# KiCad board control-logic-midplane.kicad_pcb (continued)
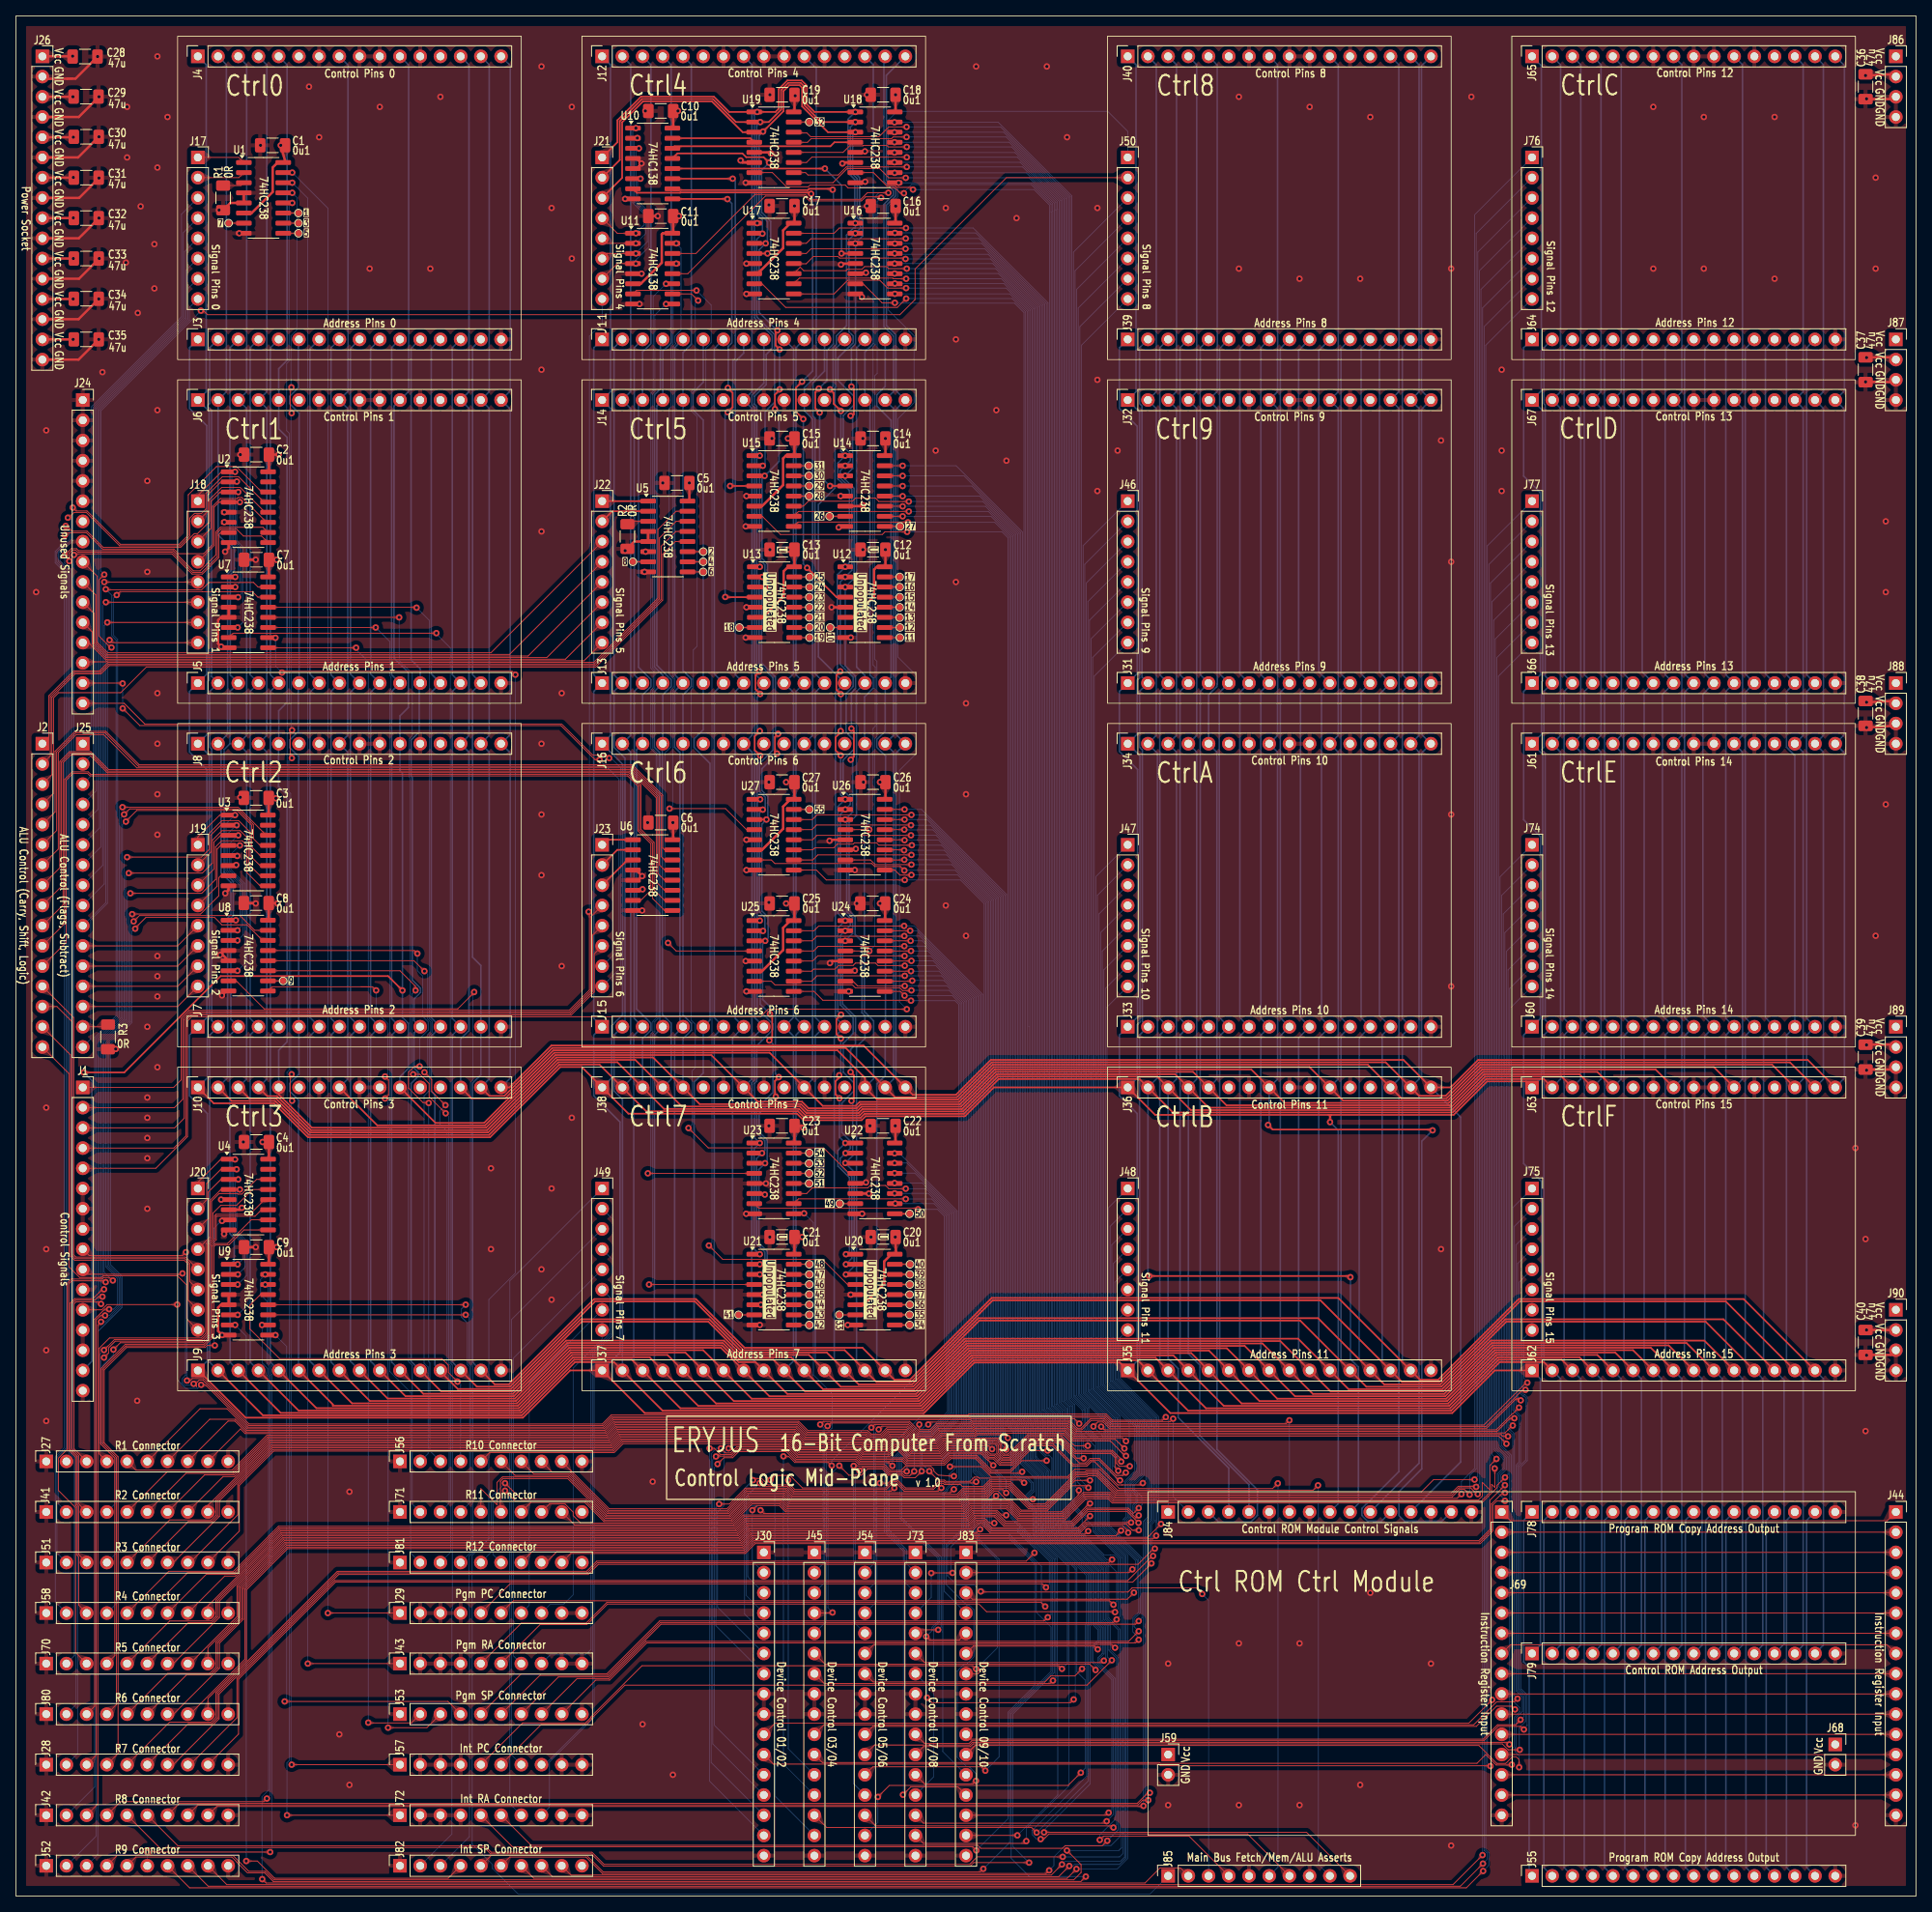
[diagram p0: board, top side]
## Nets
GNDREF: C1.2 C2.2 C3.2 C4.2 C5.2 C6.2 C7.2 C8.2 C9.2 C10.2 C11.2 C12.2 C13.2 C14.2 C15.2 C16.2 C17.2 C18.2 C19.2 C20.2 C21.2 C22.2 C23.2 C24.2 C25.2 C26.2 C27.2 C28.2 C29.2 C30.2 C31.2 C32.2 C33.2 C34.2 C35.2 C36.2 C37.2 C38.2 C39.2 C40.2 J1.6 J1.7 J1.8 J1.11 J1.13 J1.14 J1.16 J3.16 J4.7 J4.9 J4.10 J4.12 J5.16 J6.7 J6.9 J6.10 J6.12 J7.16 J8.7 J8.9 J8.10 J8.12 J9.16 J10.7 J10.9 J10.10 J10.12 J11.16 J12.7 J12.9 J12.10 J12.12 J13.16 J14.7 J14.9 J14.10 J14.12 J15.16 J16.7 J16.9 J16.10 J16.12 J24.1 J24.2 J24.3 J24.4 J24.5 J24.6 J24.7 J24.8 J26.2 J26.4 J26.6 J26.8 J26.10 J26.12 J26.14 J26.16 J27.1 J27.10 J28.1 J28.10 J29.2 J29.3 J29.4 J29.9 J29.10 J30.1 J30.8 J30.9 J30.16 J31.16 J32.7 J32.9 J32.10 J32.12 J33.16 J34.7 J34.9 J34.10 J34.12 J35.16 J36.7 J36.9 J36.10 J36.12 J37.16 J38.7 J38.9 J38.10 J38.12 J39.16 J40.7 J40.9 J40.10 J40.12 J41.1 J41.10 J42.1 J42.10 J43.2 J43.3 J43.4 J43.9 J43.10 J44.16 J45.1 J45.8 J45.9 J45.16 J51.1 J51.10 J52.1 J52.10 J53.1 J53.10 J54.1 J54.8 J54.9 J54.16 J55.16 J56.1 J56.10 J57.2 J57.3 J57.4 J57.9 J57.10 J58.1 J58.10 J59.2 J60.16 J61.7 J61.9 J61.10 J61.12 J62.16 J63.7 J63.9 J63.10 J63.12 J64.16 J65.7 J65.9 J65.10 J65.12 J66.16 J67.7 J67.9 J67.10 J67.12 J68.2 J69.16 J70.1 J70.10 J71.1 J71.10 J72.2 J72.3 J72.4 J72.9 J72.10 J73.1 J73.8 J73.9 J73.16 J78.16 J79.16 J80.1 J80.10 J81.1 J81.10 J82.1 J82.10 J83.1 J83.8 J83.9 J83.16 J84.6 J84.8 J84.14 J84.16 J85.5 J85.8 J86.3 J86.4 J87.3 J87.4 J88.3 J88.4 J89.3 J89.4 J90.3 J90.4 R1.2 R2.2 R3.2 U1.4 U1.5 U1.8 U2.5 U2.8 U3.5 U3.8 U4.5 U4.8 U5.4 U5.5 U5.8 U6.4 U6.5 U6.8 U7.4 U7.5 U7.8 U8.4 U8.5 U8.8 U9.4 U9.5 U9.8 U10.4 U10.5 U10.8 U11.5 U11.8 U12.5 U12.8 U13.5 U13.8 U14.5 U14.8 U15.5 U15.8 U16.5 U16.8 U17.5 U17.8 U18.5 U18.8 U19.5 U19.8 U20.5 U20.8 U21.5 U21.8 U22.5 U22.8 U23.5 U23.8 U24.5 U24.8 U25.5 U25.8 U26.5 U26.8 U27.5 U27.8
VCC: C1.1 C2.1 C3.1 C4.1 C5.1 C6.1 C7.1 C8.1 C9.1 C10.1 C11.1 C12.1 C13.1 C14.1 C15.1 C16.1 C17.1 C18.1 C19.1 C20.1 C21.1 C22.1 C23.1 C24.1 C25.1 C26.1 C27.1 C28.1 C29.1 C30.1 C31.1 C32.1 C33.1 C34.1 C35.1 C36.1 C37.1 C38.1 C39.1 C40.1 J4.6 J4.13 J6.6 J6.13 J8.6 J8.13 J10.6 J10.13 J12.6 J12.13 J14.6 J14.13 J16.6 J16.13 J26.1 J26.3 J26.5 J26.7 J26.9 J26.11 J26.13 J26.15 J32.6 J32.13 J34.6 J34.13 J36.6 J36.13 J38.6 J38.13 J40.6 J40.13 J59.1 J61.6 J61.13 J63.6 J63.13 J65.6 J65.13 J67.6 J67.13 J68.1 J86.1 J86.2 J87.1 J87.2 J88.1 J88.2 J89.1 J89.2 J90.1 J90.2 U1.6 U1.16 U2.6 U2.16 U3.6 U3.16 U4.6 U4.16 U5.6 U5.16 U6.6 U6.16 U7.16 U8.16 U9.16 U10.16 U11.6 U11.16 U12.6 U12.16 U13.6 U13.16 U14.6 U14.16 U15.6 U15.16 U16.6 U16.16 U17.6 U17.16 U18.6 U18.16 U19.6 U19.16 U20.6 U20.16 U21.6 U21.16 U22.6 U22.16 U23.6 U23.16 U24.6 U24.16 U25.6 U25.16 U26.6 U26.16 U27.6 U27.16
Addr0: J3.1 J5.1 J7.1 J9.1 J11.1 J13.1 J15.1 J31.1 J33.1 J35.1 J37.1 J39.1 J60.1 J62.1 J64.1 J66.1 J79.1
Addr1: J3.2 J5.2 J7.2 J9.2 J11.2 J13.2 J15.2 J31.2 J33.2 J35.2 J37.2 J39.2 J60.2 J62.2 J64.2 J66.2 J79.2
Addr2: J3.3 J5.3 J7.3 J9.3 J11.3 J13.3 J15.3 J31.3 J33.3 J35.3 J37.3 J39.3 J60.3 J62.3 J64.3 J66.3 J79.3
Addr3: J3.4 J5.4 J7.4 J9.4 J11.4 J13.4 J15.4 J31.4 J33.4 J35.4 J37.4 J39.4 J60.4 J62.4 J64.4 J66.4 J79.4
Addr4: J3.5 J5.5 J7.5 J9.5 J11.5 J13.5 J15.5 J31.5 J33.5 J35.5 J37.5 J39.5 J60.5 J62.5 J64.5 J66.5 J79.5
Addr5: J3.6 J5.6 J7.6 J9.6 J11.6 J13.6 J15.6 J31.6 J33.6 J35.6 J37.6 J39.6 J60.6 J62.6 J64.6 J66.6 J79.6
Addr6: J3.7 J5.7 J7.7 J9.7 J11.7 J13.7 J15.7 J31.7 J33.7 J35.7 J37.7 J39.7 J60.7 J62.7 J64.7 J66.7 J79.7
Addr7: J3.8 J5.8 J7.8 J9.8 J11.8 J13.8 J15.8 J31.8 J33.8 J35.8 J37.8 J39.8 J60.8 J62.8 J64.8 J66.8 J79.8
Addr8: J3.9 J5.9 J7.9 J9.9 J11.9 J13.9 J15.9 J31.9 J33.9 J35.9 J37.9 J39.9 J60.9 J62.9 J64.9 J66.9 J79.9
Addr9: J3.10 J5.10 J7.10 J9.10 J11.10 J13.10 J15.10 J31.10 J33.10 J35.10 J37.10 J39.10 J60.10 J62.10 J64.10 J66.10 J79.10
AddrA: J3.11 J5.11 J7.11 J9.11 J11.11 J13.11 J15.11 J31.11 J33.11 J35.11 J37.11 J39.11 J60.11 J62.11 J64.11 J66.11 J79.11
AddrB: J3.12 J5.12 J7.12 J9.12 J11.12 J13.12 J15.12 J31.12 J33.12 J35.12 J37.12 J39.12 J60.12 J62.12 J64.12 J66.12 J79.12
AddrC: J3.13 J5.13 J7.13 J9.13 J11.13 J13.13 J15.13 J31.13 J33.13 J35.13 J37.13 J39.13 J60.13 J62.13 J64.13 J66.13 J79.13
AddrD: J3.14 J5.14 J7.14 J9.14 J11.14 J13.14 J15.14 J31.14 J33.14 J35.14 J37.14 J39.14 J60.14 J62.14 J64.14 J66.14 J79.14
AddrE: J3.15 J5.15 J7.15 J9.15 J11.15 J13.15 J15.15 J31.15 J33.15 J35.15 J37.15 J39.15 J60.15 J62.15 J64.15 J66.15 J79.15
CPU_CLK: J1.15 J4.11 J6.11 J8.11 J10.11 J12.11 J14.11 J16.11 J32.11 J34.11 J36.11 J38.11 J40.11 J61.11 J63.11 J65.11 J67.11
CPY_CLK: J4.8 J6.8 J8.8 J10.8 J12.8 J14.8 J16.8 J32.8 J34.8 J36.8 J38.8 J40.8 J61.8 J63.8 J65.8 J67.8 J84.15
EEPROM CMD/ADDR: J4.2 J6.2 J8.2 J10.2 J12.2 J14.2 J16.2 J32.2 J34.2 J36.2 J38.2 J40.2 J61.2 J63.2 J65.2 J67.2 J84.10
EEPROM ~{CS}: J4.1 J6.1 J8.1 J10.1 J12.1 J14.1 J16.1 J32.1 J34.1 J36.1 J38.1 J40.1 J61.1 J63.1 J65.1 J67.1 J84.9
HS_CLK: J1.12 J84.7
INSTR_A0: J44.1 J69.1
INSTR_A1: J44.2 J69.2
INSTR_A2: J44.3 J69.3
INSTR_A3: J44.4 J69.4
INSTR_A4: J44.5 J69.5
INSTR_A5: J44.6 J69.6
INSTR_A6: J44.7 J69.7
INSTR_A7: J44.8 J69.8
INSTR_A8: J44.9 J69.9
INSTR_A9: J44.10 J69.10
INSTR_AA: J44.11 J69.11
INSTR_AB: J44.12 J69.12
INSTR_AC: J44.13 J69.13
INSTR_AD: J44.14 J69.14
INSTR_AE: J44.15 J69.15
LATCH ~{OE}: J4.3 J6.3 J8.3 J10.3 J12.3 J14.3 J16.3 J32.3 J34.3 J36.3 J38.3 J40.3 J61.3 J63.3 J65.3 J67.3 J84.4
PGM_A0: J55.1 J78.1
PGM_A1: J55.2 J78.2
PGM_A2: J55.3 J78.3
PGM_A3: J55.4 J78.4
PGM_A4: J55.5 J78.5
PGM_A5: J55.6 J78.6
PGM_A6: J55.7 J78.7
PGM_A7: J55.8 J78.8
PGM_A8: J55.9 J78.9
PGM_A9: J55.10 J78.10
PGM_AA: J55.11 J78.11
PGM_AB: J55.12 J78.12
PGM_AC: J55.13 J78.13
PGM_AD: J55.14 J78.14
PGM_AE: J55.15 J78.15
SHIFTER ~{OE}: J4.4 J6.4 J8.4 J10.4 J12.4 J14.4 J16.4 J32.4 J34.4 J36.4 J38.4 J40.4 J61.4 J63.4 J65.4 J67.4 J84.5
SHIFTER ~{RESET}: J4.5 J6.5 J8.5 J10.5 J12.5 J14.5 J16.5 J32.5 J34.5 J36.5 J38.5 J40.5 J61.5 J63.5 J65.5 J67.5 J84.3
SignalAddrBus1AssertBit0: J17.1 U1.1
SignalAddrBus1AssertBit1: J17.2 U1.2
SignalAddrBus1AssertIntPC: J57.1 U1.13
SignalAddrBus1AssertIntRA: J72.1 U1.12
SignalAddrBus1AssertPgmPC: J29.1 U1.15
SignalAddrBus1AssertPgmRA: J43.1 U1.14
SignalAddrBus2AssertBit0: J18.1 U2.1 U7.1
SignalAddrBus2AssertBit1: J18.2 U2.2 U7.2
SignalAddrBus2AssertBit2: J18.3 U2.3 U7.3
SignalAddrBus2AssertBit3: J18.4 U2.4 U7.6
SignalAddrBus2AssertFetch: J85.1 U7.10
SignalAddrBus2AssertIntSP: J82.2 U7.7
SignalAddrBus2AssertPgmSP: J53.2 U7.9
SignalAddrBus2AssertR1: J27.2 U2.14
SignalAddrBus2AssertR2: J41.2 U2.13
SignalAddrBus2AssertR3: J51.2 U2.12
SignalAddrBus2AssertR4: J58.2 U2.11
SignalAddrBus2AssertR5: J70.2 U2.10
SignalAddrBus2AssertR6: J80.2 U2.9
SignalAddrBus2AssertR7: J28.2 U2.7
SignalAddrBus2AssertR8: J42.2 U7.15
SignalAddrBus2AssertR9: J52.2 U7.14
SignalAddrBus2AssertR10: J56.2 U7.13
SignalAddrBus2AssertR11: J71.2 U7.12
SignalAddrBus2AssertR12: J81.2 U7.11
SignalAluArighShiftLeft: J2.6 U6.14
SignalAluArighShiftRight: J2.7 U6.13
SignalALUBusAAssertBit0: J19.1 U3.1 U8.1
SignalALUBusAAssertBit1: J19.2 U3.2 U8.2
SignalALUBusAAssertBit2: J19.3 U3.3 U8.3
SignalALUBusAAssertBit3: J19.4 U3.4 U8.6
SignalALUBusAAssertIntSP: J82.3 U8.7
SignalALUBusAAssertPgmSP: J53.3 U8.9
SignalALUBusAAssertR1: J27.3 U3.14
SignalALUBusAAssertR2: J41.3 U3.13
SignalALUBusAAssertR3: J51.3 U3.12
SignalALUBusAAssertR4: J58.3 U3.11
SignalALUBusAAssertR5: J70.3 U3.10
SignalALUBusAAssertR6: J80.3 U3.9
SignalALUBusAAssertR7: J28.3 U3.7
SignalALUBusAAssertR8: J42.3 U8.15
SignalALUBusAAssertR9: J52.3 U8.14
SignalALUBusAAssertR10: J56.3 U8.13
SignalALUBusAAssertR11: J71.3 U8.12
SignalALUBusAAssertR12: J81.3 U8.11
SignalALUBusBAssertBit0: J20.1 U4.1 U9.1
SignalALUBusBAssertBit1: J20.2 U4.2 U9.2
SignalALUBusBAssertBit2: J20.3 U4.3 U9.3
SignalALUBusBAssertBit3: J20.4 U4.4 U9.6
SignalALUBusBAssertFetch: J85.2 U9.10
SignalALUBusBAssertIntSP: J82.4 U9.7
SignalALUBusBAssertPgmSP: J53.4 U9.9
SignalALUBusBAssertR1: J27.4 U4.14
SignalALUBusBAssertR2: J41.4 U4.13
SignalALUBusBAssertR3: J51.4 U4.12
SignalALUBusBAssertR4: J58.4 U4.11
SignalALUBusBAssertR5: J70.4 U4.10
SignalALUBusBAssertR6: J80.4 U4.9
SignalALUBusBAssertR7: J28.4 U4.7
SignalALUBusBAssertR8: J42.4 U9.15
SignalALUBusBAssertR9: J52.4 U9.14
SignalALUBusBAssertR10: J56.4 U9.13
SignalALUBusBAssertR11: J71.4 U9.12
SignalALUBusBAssertR12: J81.4 U9.11
SignalALULogicBit0: J23.1 U6.1
SignalALULogicBit1: J23.2 U6.2
SignalALULogicBit2: J23.3 U6.3
SignalALULogicResultBit0: J2.13 J20.5
SignalALULogicResultBit1: J2.14 J20.6
SignalALULogicResultBit2: J2.15 J20.7
SignalALULogicResultBit3: J2.16 J20.8
SignalAluLogicShiftLeft: J2.8 U6.12
SignalAluRotateCarryLeft: J2.9 U6.11
SignalAluRotateCarryRight: J2.10 U6.10
SignalAluRotateLeft: J2.11 U6.9
SignalAluRotateRight: J2.12 U6.7
SignalAluShiftNone: J2.5 U6.15
SignalAluSubtract: J25.16 J50.2
SignalBreak: J1.4 J23.6
SignalCarrySelect0: J2.1 U5.15
SignalCarrySelect1: J2.4 U5.12
SignalCarrySelectBit0: J22.1 U5.1
SignalCarrySelectBit1: J22.2 U5.2
SignalCarrySelectInverted: J2.3 U5.13
SignalCarrySelectLast: J2.2 U5.14
SignalFetchSuppress: J1.2 J23.4
SignalInstructionSuppress: J1.1 J21.8
SignalIntPCInc: J49.4 J57.8
SignalIntPCLoad: J49.3 J57.7
SignalIntRAInc: J49.2 J72.8
SignalIntRALoad: J49.1 J72.7
SignalIntSPDec: J50.3 J82.9
SignalIntSPInc: J50.4 J82.8
SignalIntSPLoad: J50.5 J82.7
SignalLeaveIntContext: J1.3 J23.5
SignalMainBusAssertALUResult: J85.9 U24.9
SignalMainBusAssertBit0: J21.1 U12.1 U13.1 U14.1 U15.1 U16.1 U17.1 U18.1 U19.1 U20.1 U21.1 U22.1 U23.1 U24.1 U25.1 U26.1 U27.1
SignalMainBusAssertBit1: J21.2 U12.2 U13.2 U14.2 U15.2 U16.2 U17.2 U18.2 U19.2 U20.2 U21.2 U22.2 U23.2 U24.2 U25.2 U26.2 U27.2
SignalMainBusAssertBit2: J21.3 U12.3 U13.3 U14.3 U15.3 U16.3 U17.3 U18.3 U19.3 U20.3 U21.3 U22.3 U23.3 U24.3 U25.3 U26.3 U27.3
SignalMainBusAssertBit3: J21.4 U10.1 U11.1
SignalMainBusAssertBit4: J21.5 U10.2 U11.2
SignalMainBusAssertBit5: J21.6 U10.3 U11.3
SignalMainBusAssertBit6: J21.7 U10.6 U11.4
SignalMainBusAssertCtl01: J30.5 U23.11
SignalMainBusAssertCtl02: J30.13 U23.10
SignalMainBusAssertCtl03: J45.5 U23.9
SignalMainBusAssertCtl04: J45.13 U23.7
SignalMainBusAssertCtl05: J54.5 U22.15
SignalMainBusAssertCtl06: J54.13 U22.14
SignalMainBusAssertCtl07: J73.5 U22.13
SignalMainBusAssertCtl08: J73.13 U22.12
SignalMainBusAssertCtl09: J83.5 U22.11
SignalMainBusAssertCtl10: J83.13 U22.10
SignalMainBusAssertDev01: J30.4 U25.11
SignalMainBusAssertDev02: J30.12 U25.10
SignalMainBusAssertDev03: J45.4 U25.9
SignalMainBusAssertDev04: J45.12 U25.7
SignalMainBusAssertDev05: J54.4 U24.15
SignalMainBusAssertDev06: J54.12 U24.14
SignalMainBusAssertDev07: J73.4 U24.13
SignalMainBusAssertDev08: J73.12 U24.12
SignalMainBusAssertDev09: J83.4 U24.11
SignalMainBusAssertDev10: J83.12 U24.10
SignalMainBusAssertFetch: J85.3 U25.12
SignalMainBusAssertIntPC: J57.5 U25.13
SignalMainBusAssertIntRA: J72.5 U25.14
SignalMainBusAssertIntSP: J82.5 U25.15
SignalMainBusAssertMemory: J85.6 U24.7
SignalMainBusAssertPgmPC: J29.5 U26.7
SignalMainBusAssertPgmRA: J43.5 U26.9
SignalMainBusAssertPgmSP: J53.5 U26.10
SignalMainBusAssertR1: J27.5 U27.14
SignalMainBusAssertR2: J41.5 U27.13
SignalMainBusAssertR3: J51.5 U27.12
SignalMainBusAssertR4: J58.5 U27.11
SignalMainBusAssertR5: J70.5 U27.10
SignalMainBusAssertR6: J80.5 U27.9
SignalMainBusAssertR7: J28.5 U27.7
SignalMainBusAssertR8: J42.5 U26.15
SignalMainBusAssertR9: J52.5 U26.14
SignalMainBusAssertR10: J56.5 U26.13
SignalMainBusAssertR11: J71.5 U26.12
SignalMainBusAssertR12: J81.5 U26.11
SignalMainBusAssertSwapALUResult: J85.10 U16.9
SignalMainBusAssertSwapCtl01: J30.7 U15.11
SignalMainBusAssertSwapCtl02: J30.15 U15.10
SignalMainBusAssertSwapCtl03: J45.7 U15.9
SignalMainBusAssertSwapCtl04: J45.15 U15.7
SignalMainBusAssertSwapCtl05: J54.7 U14.15
SignalMainBusAssertSwapCtl06: J54.15 U14.14
SignalMainBusAssertSwapCtl07: J73.7 U14.13
SignalMainBusAssertSwapCtl08: J73.15 U14.12
SignalMainBusAssertSwapCtl09: J83.7 U14.11
SignalMainBusAssertSwapCtl10: J83.15 U14.10
SignalMainBusAssertSwapDev01: J30.6 U17.11
SignalMainBusAssertSwapDev02: J30.14 U17.10
SignalMainBusAssertSwapDev03: J45.6 U17.9
SignalMainBusAssertSwapDev04: J45.14 U17.7
SignalMainBusAssertSwapDev05: J54.6 U16.15
SignalMainBusAssertSwapDev06: J54.14 U16.14
SignalMainBusAssertSwapDev07: J73.6 U16.13
SignalMainBusAssertSwapDev08: J73.14 U16.12
SignalMainBusAssertSwapDev09: J83.6 U16.11
SignalMainBusAssertSwapDev10: J83.14 U16.10
SignalMainBusAssertSwapFetch: J85.4 U17.12
SignalMainBusAssertSwapIntPC: J57.6 U17.13
SignalMainBusAssertSwapIntRA: J72.6 U17.14
SignalMainBusAssertSwapIntSP: J82.6 U17.15
SignalMainBusAssertSwapMemory: J85.7 U16.7
SignalMainBusAssertSwapPgmPC: J29.6 U18.7
SignalMainBusAssertSwapPgmRA: J43.6 U18.9
SignalMainBusAssertSwapPgmSP: J53.6 U18.10
SignalMainBusAssertSwapR1: J27.6 U19.14
SignalMainBusAssertSwapR2: J41.6 U19.13
SignalMainBusAssertSwapR3: J51.6 U19.12
SignalMainBusAssertSwapR4: J58.6 U19.11
SignalMainBusAssertSwapR5: J70.6 U19.10
SignalMainBusAssertSwapR6: J80.6 U19.9
SignalMainBusAssertSwapR7: J28.6 U19.7
SignalMainBusAssertSwapR8: J42.6 U18.15
SignalMainBusAssertSwapR9: J52.6 U18.14
SignalMainBusAssertSwapR10: J56.6 U18.13
SignalMainBusAssertSwapR11: J71.6 U18.12
SignalMainBusAssertSwapR12: J81.6 U18.11
SignalMemoryWrite: J1.5 J50.1
SignalPgmPCInc: J29.8 J49.8
SignalPgmPCLoad: J29.7 J49.7
SignalPgmRAInc: J43.8 J49.6
SignalPgmRALoad: J43.7 J49.5
SignalPgmSPDec: J50.6 J53.9
SignalPgmSPInc: J50.7 J53.8
SignalPgmSPLoad: J50.8 J53.7
SignalR1Dec: J27.9 J46.6
SignalR1Inc: J27.8 J46.7
SignalR1Load: J27.7 J46.8
SignalR2Dec: J41.9 J46.3
SignalR2Inc: J41.8 J46.4
SignalR2Load: J41.7 J46.5
SignalR3Inc: J46.1 J51.8
SignalR3Load: J46.2 J51.7
SignalR9Dec: J52.9 J76.6
SignalR9Inc: J52.8 J76.7
SignalR9Load: J52.7 J76.8
SignalR10Dec: J56.9 J76.3
SignalR10Inc: J56.8 J76.4
SignalR10Load: J56.7 J76.5
SignalR11Inc: J71.8 J76.1
SignalR11Load: J71.7 J76.2
SignalUpdateCLC: J17.8 J25.6
SignalUpdateCLV: J19.6 J25.12
SignalUpdateIntCLatch: J17.3 J25.1
SignalUpdateIntLLatch: J19.7 J25.13
SignalUpdateIntNLatch: J18.7 J25.9
SignalUpdateIntVLatch: J18.5 J25.7
SignalUpdateIntZLatch: J17.5 J25.3
SignalUpdatePgmCLatch: J17.4 J25.2
SignalUpdatePgmLLatch: J19.8 J25.14
SignalUpdatePgmNLatch: J18.8 J25.10
SignalUpdatePgmVLatch: J18.6 J25.8
SignalUpdatePgmZLatch: J17.6 J25.4
SignalUpdateSTC: J17.7 J25.5
SignalUpdateSTV: J19.5 J25.11
SingalCtl01Load: J30.3 J77.3
SingalCtl02Load: J30.11 J77.1
SingalCtl03Load: J45.3 J74.7
SingalCtl04Load: J45.11 J74.5
SingalCtl05Load: J54.3 J74.3
SingalCtl06Load: J54.11 J74.1
SingalCtl07Load: J73.3 J75.7
SingalCtl08Load: J73.11 J75.5
SingalCtl09Load: J75.3 J83.3
SingalCtl10Load: J75.1 J83.11
SingalDev01Load: J30.2 J77.4
SingalDev02Load: J30.10 J77.2
SingalDev03Load: J45.2 J74.8
SingalDev04Load: J45.10 J74.6
SingalDev05Load: J54.2 J74.4
SingalDev06Load: J54.10 J74.2
SingalDev07Load: J73.2 J75.8
SingalDev08Load: J73.10 J75.6
SingalDev09Load: J75.4 J83.2
SingalDev10Load: J75.2 J83.10
SingalR3Dec: J47.8 J51.9
SingalR4Dec: J47.5 J58.9
SingalR4Inc: J47.6 J58.8
SingalR4Load: J47.7 J58.7
SingalR5Dec: J47.2 J70.9
SingalR5Inc: J47.3 J70.8
SingalR5Load: J47.4 J70.7
SingalR6Dec: J48.7 J80.9
SingalR6Inc: J48.8 J80.8
SingalR6Load: J47.1 J80.7
SingalR7Dec: J28.9 J48.4
SingalR7Inc: J28.8 J48.5
SingalR7Load: J28.7 J48.6
SingalR8Dec: J42.9 J48.1
SingalR8Inc: J42.8 J48.2
SingalR8Load: J42.7 J48.3
SingalR11Dec: J71.9 J77.8
SingalR12Dec: J77.5 J81.9
SingalR12Inc: J77.6 J81.8
SingalR12Load: J77.7 J81.7
SRAM ~{CE}: J4.16 J6.16 J8.16 J10.16 J12.16 J14.16 J16.16 J32.16 J34.16 J36.16 J38.16 J40.16 J61.16 J63.16 J65.16 J67.16 J84.13
SRAM ~{OE}: J4.15 J6.15 J8.15 J10.15 J12.15 J14.15 J16.15 J32.15 J34.15 J36.15 J38.15 J40.15 J61.15 J63.15 J65.15 J67.15 J84.11
SRAM ~{WE}: J4.14 J6.14 J8.14 J10.14 J12.14 J14.14 J16.14 J32.14 J34.14 J36.14 J38.14 J40.14 J61.14 J63.14 J65.14 J67.14 J84.12
Unused1: J22.3 J24.9
Unused2: J22.4 J24.10
Unused3: J22.5 J24.11
Unused4: J22.6 J24.12
Unused5: J22.7 J24.13
Unused6: J22.8 J24.14
Unused7: J23.7 J24.15
Unused8: J23.8 J24.16
~{CPYHLD}: J1.10 J84.2
~{RESET}: J1.9 J84.1
Net-(J25-Pin_15): J25.15 R3.1
Net-(U1-A2): R1.1 U1.3
Net-(U1-Y4): TP1.1 U1.11
Net-(U1-Y5): TP3.1 U1.10
Net-(U1-Y6): TP5.1 U1.9
Net-(U1-Y7): TP7.1 U1.7
Net-(U5-A2): R2.1 U5.3
Net-(U5-Y4): TP2.1 U5.11
Net-(U5-Y5): TP4.1 U5.10
Net-(U5-Y6): TP6.1 U5.9
Net-(U5-Y7): TP8.1 U5.7
Net-(U8-Y5): TP9.1 U8.10
Net-(U10-~{Y0}): U10.15 U19.4
Net-(U10-~{Y1}): U10.14 U18.4
Net-(U10-~{Y2}): U10.13 U17.4
Net-(U10-~{Y3}): U10.12 U16.4
Net-(U10-~{Y4}): U10.11 U15.4
Net-(U10-~{Y5}): U10.10 U14.4
Net-(U10-~{Y6}): U10.9 U13.4
Net-(U10-~{Y7}): U10.7 U12.4
Net-(U11-~{Y0}): U11.15 U27.4
Net-(U11-~{Y1}): U11.14 U26.4
Net-(U11-~{Y2}): U11.13 U25.4
Net-(U11-~{Y3}): U11.12 U24.4
Net-(U11-~{Y4}): U11.11 U23.4
Net-(U11-~{Y5}): U11.10 U22.4
Net-(U11-~{Y6}): U11.9 U21.4
Net-(U11-~{Y7}): U11.7 U20.4
Net-(U12-Y0): TP17.1 U12.15
Net-(U12-Y1): TP16.1 U12.14
Net-(U12-Y2): TP15.1 U12.13
Net-(U12-Y3): TP14.1 U12.12
Net-(U12-Y4): TP13.1 U12.11
Net-(U12-Y5): TP12.1 U12.10
Net-(U12-Y6): TP11.1 U12.9
Net-(U12-Y7): TP10.1 U12.7
Net-(U13-Y0): TP25.1 U13.15
Net-(U13-Y1): TP24.1 U13.14
Net-(U13-Y2): TP23.1 U13.13
Net-(U13-Y3): TP22.1 U13.12
Net-(U13-Y4): TP21.1 U13.11
Net-(U13-Y5): TP20.1 U13.10
Net-(U13-Y6): TP19.1 U13.9
Net-(U13-Y7): TP18.1 U13.7
Net-(U14-Y6): TP27.1 U14.9
Net-(U14-Y7): TP26.1 U14.7
Net-(U15-Y0): TP31.1 U15.15
Net-(U15-Y1): TP30.1 U15.14
Net-(U15-Y2): TP29.1 U15.13
Net-(U15-Y3): TP28.1 U15.12
Net-(U19-Y0): TP32.1 U19.15
Net-(U20-Y0): TP40.1 U20.15
Net-(U20-Y1): TP39.1 U20.14
Net-(U20-Y2): TP38.1 U20.13
Net-(U20-Y3): TP37.1 U20.12
Net-(U20-Y4): TP36.1 U20.11
Net-(U20-Y5): TP35.1 U20.10
Net-(U20-Y6): TP34.1 U20.9
Net-(U20-Y7): TP33.1 U20.7
Net-(U21-Y0): TP48.1 U21.15
Net-(U21-Y1): TP47.1 U21.14
Net-(U21-Y2): TP46.1 U21.13
Net-(U21-Y3): TP45.1 U21.12
Net-(U21-Y4): TP44.1 U21.11
Net-(U21-Y5): TP43.1 U21.10
Net-(U21-Y6): TP42.1 U21.9
Net-(U21-Y7): TP41.1 U21.7
Net-(U22-Y6): TP50.1 U22.9
Net-(U22-Y7): TP49.1 U22.7
Net-(U23-Y0): TP54.1 U23.15
Net-(U23-Y1): TP53.1 U23.14
Net-(U23-Y2): TP52.1 U23.13
Net-(U23-Y3): TP51.1 U23.12
Net-(U27-Y0): TP55.1 U27.15

Pads without a net: U2 15; U3 15; U4 15

## Via types
v1: diameter 0.8, hole 0.4, Top to Bottom, 784 vias

## Routing (per net, layer and track width the routed paths; a pad name or vN(x,y) marks a point on that pad's centre or on a via; arc(x,y) is an arc through that point)
GNDREF: length 176.3
  Top w0.3: 26.45,113.72 v1(25.89,113.16) ; U25.8 v1(91.79,113.67) ; v1(102.23,132.59) 102.36,132.72 104.2,132.72 ; J26.10 7.9,208.28 v1(10.44,210.82) ; v1(10.41,200.66) 7.87,198.12 J26.14 ; 26.73,170.05 26.73,169.36 v1(26.29,168.91) ; 6.45,228.34 3.61,228.31 ; 6.45,228.34 7.11,228.35 ; 6.45,228.34 7.49,228.34 v1(10.26,231.11) ; C9.2 v1(30.13,81.53) ; U4.5 v1(25.78,87.5) ; 26.73,161.93 U7.5 25.76,160.66 25.41,160.3 25.41,157.34 v1(25.78,156.97) ; U9.8 v1(25.91,70.49) 25.41,70.98 25.41,73.94 25.76,74.3 U9.5 U9.4 ; U8.5 26,118.24 v1(25.65,118.24) 26.21,118.8 ; v1(106.81,89.66) 106.68,89.54 U22.5 ; 77.98,218.31 v1(78.61,217.68) 77.98,217.04 ; J26.12 7.92,203.2 v1(10.46,205.74) ; v1(232.41,190.25) 235.93,190.21 ; v1(76.55,169.04) 77.69,170.18 U5.5 U5.4 ; U19.5 94.74,219.08 v1(94.87,218.95) ; U20.8 v1(104.52,71.76) ; v1(30.13,124.71) 30.1,124.71 30.05,124.76 C8.2 ; 77.93,128.91 v1(78.69,128.14) 78.18,127.64 ; J26.6 7.81,218.44 C30.2 ; 77.54,203.84 v1(78.61,203.84) ; v1(106.68,219.2) 106.55,219.08 U18.5 ; U23.8 v1(91.76,85.73) ; U17.8 v1(91.79,201.3) ; U3.8 26.71,126.39 v1(26.3,125.98) ; U27.5 v1(91.79,132.72) ; U15.8 v1(91.69,172.09) ; J26.16 7.87,193.04 v1(10.41,195.58) ; 26.67,83.69 v1(26.16,83.19) ; J26.4 7.9,223.52 v1(10.44,226.06) ; U16.5 103.8,205.11 v1(103.67,204.98) ; v1(10.44,215.85) 7.95,213.36 J26.8 ; v1(106.71,215.39) 106.58,215.27 U18.8 ; C11.2 v1(80.65,211.07) ; U22.8 v1(106.33,85.73) ; 103.51,172.09 v1(103.38,171.96) ; U17.5 v1(91.79,205.11) ; U27.8 v1(91.79,128.91) ; 105.92,201.3 v1(106.3,200.91) ; 232.63,103.85 235.93,103.85 ; 232.58,225.77 235.93,225.77 ; 104.2,128.91 v1(105.41,128.91) ; U19.8 v1(91.69,215.27) ; v1(232.54,146.81) 235.93,147.03 ; U23.5 v1(94.23,89.54) 94.36,89.41 ; 104.2,117.48 102.53,117.48 v1(102.28,117.22) ; R3.2 12.51,106.4 v1(12.54,106.43) ; U10.8 v1(76.55,213.23) ; R1.2 26.95,212.73 U1.5 U1.4 ; U25.5 v1(91.69,117.48) ; U21.5 v1(93.85,75.57) ; C7.2 v1(30.13,167.89) ; U6.8 v1(78.69,123.83) ; 92.84,158.12 v1(91.69,158.12) ; U3.5 27.76,130.73 v1(27.81,130.68) ; J90.3 235.63,68 232.59,68 ; 104.2,161.93 v1(102.49,161.93) ; U13.5 v1(91.79,161.93) ; 92.78,175.9 v1(91.79,175.9)
  In1.Cu.GND w0.3: v1(94.62,139.95) 95,140.34 95,143.11 93.98,144.13 ; 101.5,187.96 100.3,186.76 97.72,186.76 J14.10 ; J14.7 89.74,187.96 91.01,189.23 92.71,189.23 J14.9
  vias: v1(2.54,163.83) v1(3.81,184.15) v1(3.81,99.06) v1(3.81,81.28) v1(3.81,68.58) v1(3.81,59.69) v1(10.44,221.03) v1(10.87,191.47) v1(13.82,205.23) v1(13.97,224.79) v1(13.97,218.44) v1(15.24,62.23) v1(15.32,198.91) v1(15.67,212.29) v1(16.51,177.8) v1(16.51,166.37) v1(16.51,109.22) v1(16.51,100.33) v1(16.51,97.79) v1(16.51,95.25) v1(16.51,92.71) v1(16.51,86.36) v1(17.4,207.54) v1(17.4,201.98) v1(17.78,231.14) v1(17.78,217.17) v1(17.78,186.69) v1(17.78,151.13) v1(17.78,144.78) v1(17.78,138.43) v1(17.78,133.35) v1(17.78,118.11) v1(17.78,115.57) v1(17.78,113.03) v1(17.78,104.14) v1(19.05,223.52) v1(25.53,211.84) v1(26.19,173.86) v1(28.07,208.92) v1(28.19,181.1) v1(28.19,138.05) v1(28.57,94.74) v1(30.73,219.96) v1(36.83,227.33) v1(38.1,220.98) v1(40.64,20.32) v1(41.91,50.8) v1(41.91,13.97) v1(44.45,204.47) v1(45.72,224.79) v1(52.07,204.47) v1(53.34,226.06) v1(59.69,91.44) v1(59.69,81.28) v1(66.04,229.87) v1(66.04,191.77) v1(66.04,171.45) v1(66.04,144.78) v1(66.04,135.89) v1(66.04,128.27) v1(66.04,78.74) v1(67.31,212.09) v1(67.31,88.9) v1(67.31,74.93) v1(68.58,151.13) v1(68.58,116.84) v1(69.85,224.79) v1(69.85,205.74) v1(69.85,97.79) v1(78.36,200.03) v1(78.74,21.59) v1(78.99,166.37) v1(79.09,224.28) v1(79.38,134.87) v1(80.01,52.07) v1(81.28,177.55) v1(82.55,15.24) v1(93.47,71.76) v1(94.62,212.47) v1(94.62,124.84) v1(94.62,96.77) v1(94.74,226.31) v1(94.74,169.16) v1(94.72,82.81) v1(95,183.13) v1(103.63,175.9) v1(104.65,113.67) v1(104.91,158.12) v1(104.9,75.57) v1(105.66,124.71) v1(106.43,183.13) v1(106.43,169.16) v1(106.49,139.95) v1(106.93,226.31) v1(106.93,212.34) v1(107.32,96.77) v1(107.44,82.8) v1(115.57,181.61) v1(116.84,212.09) v1(116.84,124.46) v1(118.11,195.58) v1(118.11,165.1) v1(119.38,149.86) v1(119.38,138.43) v1(119.38,120.65) v1(120.65,229.87) v1(123.19,186.69) v1(124.46,180.34) v1(125.73,210.82) v1(129.54,229.87) v1(132.08,220.98) v1(135.89,212.09) v1(135.89,190.5) v1(135.89,176.53) v1(138.43,181.61) v1(144.78,29.21) v1(144.78,11.43) v1(153.67,226.06) v1(153.67,204.47) v1(153.67,31.75) v1(153.67,11.43) v1(161.29,203.2) v1(161.29,31.75) v1(161.29,11.43) v1(162.56,224.79) v1(168.91,203.2) v1(168.91,13.97) v1(170.18,223.52) v1(170.18,38.1) v1(177.8,29.21) v1(179.07,182.88) v1(179.07,81.28) v1(180.34,204.47) v1(180.34,167.64) v1(180.34,135.89) v1(180.34,114.3) v1(180.34,6.35) v1(182.88,226.06) v1(186.69,191.77) v1(186.69,181.61) v1(186.69,176.53) v1(205.74,224.79) v1(205.74,204.47) v1(212.09,223.52) v1(212.09,204.47) v1(220.98,223.52) v1(220.98,203.2) v1(231.14,93.98) v1(231.14,8.89) v1(232.41,82.55) v1(232.41,58.42) v1(232.54,225.81) v1(232.54,103.76) v1(232.54,67.95) v1(233.68,215.9) v1(233.68,204.47) v1(233.68,120.65) v1(234.95,172.72) v1(234.95,163.83) v1(234.95,137.16)
VCC: length 244.5
  Top w0.3: U22.6 v1(107.19,88.27) ; v1(108.57,124.71) C24.1 109.22,122.62 ; v1(232.54,149.99) 235.93,150.15 ; U3.6 27.61,129.46 v1(27.69,129.54) ; U19.6 91.31,217.81 v1(91.06,218.06) ; 97.31,122.56 96.4,121.65 96.4,118.86 93.75,116.21 U25.6 ; v1(32.67,137.92) 32.62,137.97 C3.1 31.76,135.92 ; U23.6 93.98,88.27 v1(94.11,88.14) ; 82.59,222.23 C10.1 v1(83.19,224.28) ; 104.2,131.45 105.41,131.45 v1(105.54,131.57) ; v1(110.49,96.77) 110.53,94.72 ; 31.79,179.05 C2.1 v1(33.02,181.1) ; J26.7 C31.1 ; U15.16 96.75,180.98 96.4,180.62 96.4,177.28 93.75,174.62 U15.6 ; 31.79,165.84 C7.1 v1(32.77,167.89) ; 110.01,80.65 109.1,79.74 109.1,76.95 106.45,74.3 U20.6 ; 232.58,106.97 235.93,106.97 ; 97.83,226.1 97.83,224.26 ; J26.13 6.58,200.66 ; J26.11 6.58,205.74 ; v1(110.53,226.31) 110.53,224.26 ; U12.16 108.18,167.01 107.83,166.65 107.83,163.31 105.18,160.66 104.2,160.66 ; v1(106.81,203.96) 106.68,203.84 U16.6 ; U5.16 84.62,175.49 v1(84.62,177.55) ; 97.83,80.75 C21.1 v1(98.81,82.8) ; 31.79,92.69 C4.1 v1(30.99,94.74) ; U13.6 93.81,160.66 96.47,163.31 96.47,166.44 97.03,167.01 ; v1(109.26,169.16) 109.26,167.11 ; C28.1 7.1,231.14 J26.1 ; v1(78.74,126.49) 78.61,126.37 U6.6 ; v1(97.83,212.34) 97.83,210.29 ; 97.83,137.9 C27.1 v1(96.77,139.95) ; v1(232.41,228.73) 235.93,228.89 ; 109.26,137.9 C26.1 v1(108.57,139.95) ; v1(82.55,134.87) 82.59,132.82 ; 97.83,181.08 C15.1 v1(97.01,183.13) ; J26.15 6.58,195.58 ; v1(106.43,174.75) 106.3,174.62 104.2,174.62 ; v1(32.89,124.71) 32.84,124.76 C8.1 31.76,122.71 ; C1.1 v1(33.27,219.96) 33.82,218.04 U1.16 ; U18.6 103.97,217.81 v1(103.84,217.68) ; v1(28.39,86.47) 28.15,86.23 U4.6 ; U27.6 93.75,131.45 96.4,134.1 96.4,136.89 97.31,137.8 ; v1(105.41,116.27) 105.34,116.21 104.2,116.21 ; U1.6 29.61,211.46 32.27,214.11 32.27,217.18 32.89,217.81 ; C30.1 7.23,220.98 J26.5 ; v1(110.49,82.8) 110.59,80.81 U20.16 ; J26.9 6.58,210.82 ; v1(109.26,183.13) 109.26,181.08 ; 97.83,94.72 C23.1 98.68,96.77 v1(98.93,96.52) ; 232.58,193.33 235.93,193.33 ; 97.83,167.04 C13.1 97.03,169.16 ; 97.31,210.19 96.4,209.28 96.4,207.04 93.19,203.84 ; C16.1 110.53,210.29 ; v1(96.77,124.71) C25.1 97.83,122.66 ; J26.3 7.23,226.06 C29.1 ; v1(32.77,81.53) C9.1 31.79,79.48 ; v1(232.54,71.12) J90.2 ; v1(83.31,211.07) C11.1 82.59,209.02 ; U11.6 78.51,202.56 81.15,205.21 81.15,208.79 81.28,208.92 U11.16
  In2.Cu.VCC w0.3: J10.6 35.56,99.31 v1(30.99,94.74) ; v1(98.93,96.52) 98.93,96.74 103.79,101.6 ; v1(109.26,183.13) 108.97,183.13 J14.13 ; J16.13 108.57,140.35 v1(108.57,139.95)
  vias: v1(7.13,231.17) v1(7.16,226.06) v1(7.19,200.66) v1(7.19,195.58) v1(7.21,220.98) v1(7.21,215.93) v1(7.21,210.85) v1(7.21,205.74) v1(26.19,172.62) v1(79.12,168.91) v1(93.6,74.3) v1(97.01,169.16) v1(97.92,226.19) v1(110.55,212.33) v1(232.54,193.29) v1(232.54,106.93)
Addr0: length 757.6
  Top w0.2: 22.92,66.04 28.85,60.11 63.7,60.11 69.63,66.04 J37.1 79.01,60.69 114.09,60.69 120.43,67.03 138.71,67.03 J35.1 145.05,60.69 180.47,60.69 185.82,66.04 J62.1
  Bottom w0.2: J79.1 191.55,31.53 191.55,64.99 J62.1 191.69,67.23 191.69,89.79 189.45,92.03 189.45,108.17 J60.1 191.55,110.27 191.55,133.13 189.45,135.23 189.45,151.35 J66.1 191.55,153.45 191.55,176.31 189.45,178.41 189.45,194.53 J64.1 ; J35.1 140.89,67.23 140.89,98.31 138.65,100.55 138.65,108.17 J33.1 140.94,110.46 140.94,141.55 138.65,143.83 138.65,151.35 J31.1 140.88,153.59 140.88,184.68 138.65,186.91 138.65,194.53 J39.1 ; J9.1 24.05,67.23 24.05,98.31 21.81,100.55 21.81,108.17 J7.1 24,110.36 24,141.54 21.81,143.73 21.81,151.35 J5.1 23.98,153.52 23.98,184.74 21.81,186.91 21.81,194.53 J3.1 ; J11.1 72.61,194.53 72.61,153.45 J13.1 72.61,151.35 72.61,110.27 J15.1 72.61,108.17 72.61,100.55 75.91,97.25 75.91,68.29 J37.1
Addr1: length 748.7
  Top w0.2: J62.2 191.99,67.09 186.44,67.09 180.34,60.99 147.29,60.99 J35.2 140.95,67.33 120.31,67.33 113.97,60.99 81.25,60.99 J37.2 75.15,67.09 70.26,67.09 63.57,60.41 31.03,60.41 J9.2
  Bottom w0.2: J35.2 141.19,67.09 141.19,108.17 J33.2 141.53,109.93 141.53,144 141.19,144.35 141.19,151.35 J31.2 141.48,153.16 141.48,187.23 141.19,187.53 141.19,194.53 J39.2 ; 76.53,109.55 76.53,142.96 75.15,144.35 75.15,151.35 J13.2 75.15,153.45 75.15,194.53 J11.2 ; J3.2 24.35,194.53 24.35,187.53 24.13,187.31 24.13,187.11 24.58,186.67 24.58,153.22 J5.2 24.35,151.35 24.35,144.35 24.6,144.09 24.6,110.11 24.55,110.07 J7.2 24.35,108.17 24.35,67.09 J9.2 ; J64.2 191.99,194.53 191.99,187.53 192.15,187.37 192.15,153.29 J66.2 191.99,151.35 191.99,144.35 191.77,144.13 191.77,143.93 192.15,143.55 192.15,110.11 J60.2 191.99,108.17 191.99,67.09 J62.2 194.09,64.99 194.09,31.53 J79.2 ; J15.2 75.15,108.17 75.15,101.17 76.21,100.11 76.21,66.05
Addr2: length 750.3
  Top w0.2: J9.3 33.27,60.71 63.45,60.71 70.13,67.39 77.39,67.39 J37.3 83.49,61.29 113.85,61.29 120.19,67.63 143.19,67.63 J35.3 149.53,61.29 180.21,61.29 186.31,67.39 194.23,67.39 J62.3
  Bottom w0.2: J37.3 77.63,67.15 77.63,108.11 J15.3 77.69,110.27 77.69,151.35 J13.3 77.69,153.45 77.69,194.53 J11.3 ; J39.3 143.73,194.53 143.73,153.45 J31.3 143.73,151.35 143.73,110.27 J33.3 143.73,108.17 143.73,67.09 J35.3 ; J3.3 26.89,194.53 26.89,169.96 27.43,169.41 27.43,166.5 26.93,166 26.93,153.41 J5.3 26.89,151.35 26.89,144.79 26.16,144.06 26.16,128.62 27.3,127.48 27.3,123.17 27.01,122.87 27.01,110.15 J7.3 26.89,108.17 26.89,83.21 27.43,82.67 27.43,79.83 26.91,79.32 26.91,67.07 J9.3 ; J79.3 196.63,31.53 196.63,64.99 J62.3 194.53,67.09 194.53,108.17 J60.3 194.53,110.27 194.53,151.35 J66.3 194.53,153.45 194.53,194.53 J64.3
Addr3: length 747.6
  Top w0.2: J62.4 196.47,67.69 186.19,67.69 180.09,61.59 151.77,61.59 J35.4 145.43,67.93 120.06,67.93 113.72,61.59 85.73,61.59 J37.4 79.63,67.69 70.01,67.69 63.32,61.01 35.52,61.01 J9.4
  Bottom w0.2: J64.4 197.07,194.53 197.07,153.45 J66.4 197.07,151.35 197.07,110.27 J60.4 197.07,108.17 197.07,67.09 J62.4 199.26,64.9 199.26,31.62 J79.4 ; J39.4 146.27,194.53 146.27,153.45 J31.4 146.27,151.35 146.27,110.27 J33.4 146.27,108.17 146.27,67.09 J35.4 ; 80.98,195.28 80.98,189.36 80.23,188.61 80.23,154.44 81.28,153.39 J13.4 80.23,151.35 80.23,144.35 80.9,143.68 80.9,109.6 ; J15.4 80.23,108.17 80.23,67.09 J37.4 ; J3.4 29.43,194.53 29.43,153.45 J5.4 29.43,151.35 29.43,110.27 J7.4 29.43,108.17 29.43,67.09 J9.4
Addr4: length 748
  Top w0.2: J9.5 37.75,61.31 63.2,61.31 69.88,67.99 81.87,67.99 J37.5 87.97,61.89 113.6,61.89 119.94,68.23 147.67,68.23 J35.5 154.01,61.89 179.96,61.89 186.06,67.99 198.71,67.99 J62.5
  Bottom w0.2: J9.5 31.97,67.09 31.97,108.17 J7.5 31.97,110.27 31.97,151.35 J5.5 31.97,153.45 31.97,194.53 J3.5 ; J37.5 82.77,67.09 82.77,108.17 J15.5 ; J35.5 148.81,67.09 148.81,108.17 J33.5 148.81,110.27 148.81,151.35 J31.5 148.81,153.45 148.81,194.53 J39.5 ; J79.5 201.71,31.53 201.71,64.99 J62.5 199.61,67.09 199.61,108.17 J60.5 199.61,110.27 199.61,151.35 J66.5 199.61,153.45 199.61,194.53 J64.5 ; 83.44,109.6 83.44,143.68 82.77,144.35 82.77,151.35 J13.5 82.77,153.45 82.77,194.53 J11.5
Addr5: length 750.2
  Top w0.2: J62.6 200.95,68.29 185.94,68.29 179.84,62.19 156.25,62.19 J35.6 149.91,68.53 119.81,68.53 113.47,62.19 90.21,62.19 J37.6 84.11,68.29 69.76,68.29 63.07,61.61 39.82,61.61 39.82,61.78 J9.6
  Bottom w0.2: 35.53,109.25 35.53,143.18 34.41,144.3 34.41,145.26 35.48,146.33 35.48,152.32 ; J7.6 35.56,103.25 34.41,102.1 34.41,101.12 35.51,100.02 35.51,66.09 ; J79.6 204.25,31.53 204.25,64.99 J62.6 202.05,67.19 202.05,108.07 J60.6 202.01,110.41 202.01,151.21 J66.6 202.05,153.55 202.05,194.43 J64.6 ; J35.6 151.25,67.19 151.25,108.07 J33.6 151.21,110.41 151.21,151.21 J31.6 151.25,153.55 151.25,194.43 J39.6 ; 35.48,195.5 35.48,189.51 34.41,188.44 34.41,187.48 35.59,186.31 35.59,152.43 ; J11.6 86.36,190.2 85.07,188.91 85.07,186.74 86.36,185.45 J13.6 86.36,146.53 85.21,145.38 85.21,144.3 87.21,142.3 87.21,110.07 J15.6 86.36,103.4 85.21,102.25 85.21,67.19 J37.6
Addr6: length 749.7
  Top w0.2: J62.7 203.19,68.59 185.81,68.59 179.71,62.49 158.49,62.49 J35.7 152.15,68.83 119.69,68.83 113.35,62.49 92.45,62.49 J37.7 86.35,68.59 69.63,68.59 62.95,61.91 42.23,61.91 J9.7
  Bottom w0.2: J11.7 87.75,194.43 87.75,153.55 J13.7 87.75,151.25 87.75,110.37 J15.7 87.75,108.07 87.75,67.19 J37.7 ; J3.7 36.95,194.43 36.95,153.55 J5.7 36.95,151.25 36.95,110.37 J7.7 36.95,108.07 36.95,67.19 J9.7 ; J64.7 204.35,194.19 204.35,153.79 J66.7 204.59,151.25 204.59,110.37 J60.7 204.59,108.07 204.59,67.19 J62.7 206.79,64.99 206.79,31.53 J79.7 ; J35.7 153.79,67.19 153.79,108.07 J33.7 153.79,110.37 153.79,151.25 J31.7 153.79,153.55 153.79,194.43 J39.7
Addr7: length 749.1
  Top w0.2: J62.8 205.43,68.89 185.69,68.89 179.59,62.79 160.73,62.79 J35.8 154.39,69.13 119.56,69.13 113.22,62.79 94.69,62.79 J37.8 88.59,68.89 69.51,68.89 62.83,62.21 44.48,62.21 J9.8
  Bottom w0.2: J35.8 156.43,67.09 156.43,108.17 J33.8 156.43,110.27 156.43,151.35 J31.8 156.43,153.45 156.43,194.53 J39.8 ; J3.8 39.59,194.53 39.59,153.45 J5.8 39.59,151.35 39.59,110.27 J7.8 39.59,108.17 39.59,67.09 J9.8 ; J79.8 209.33,31.53 209.33,64.99 J62.8 207.23,67.09 207.23,108.17 J60.8 206.89,110.61 206.89,151.01 J66.8 207.23,153.45 207.23,194.53 J64.8 ; J11.8 91.44,193.85 90.39,192.8 90.39,153.45 J13.8 90.39,151.35 90.39,110.27 J15.8 90.05,107.83 90.05,67.43 J37.8
